# KiCad board leafony-ap03-stm32.kicad_pcb (continued)
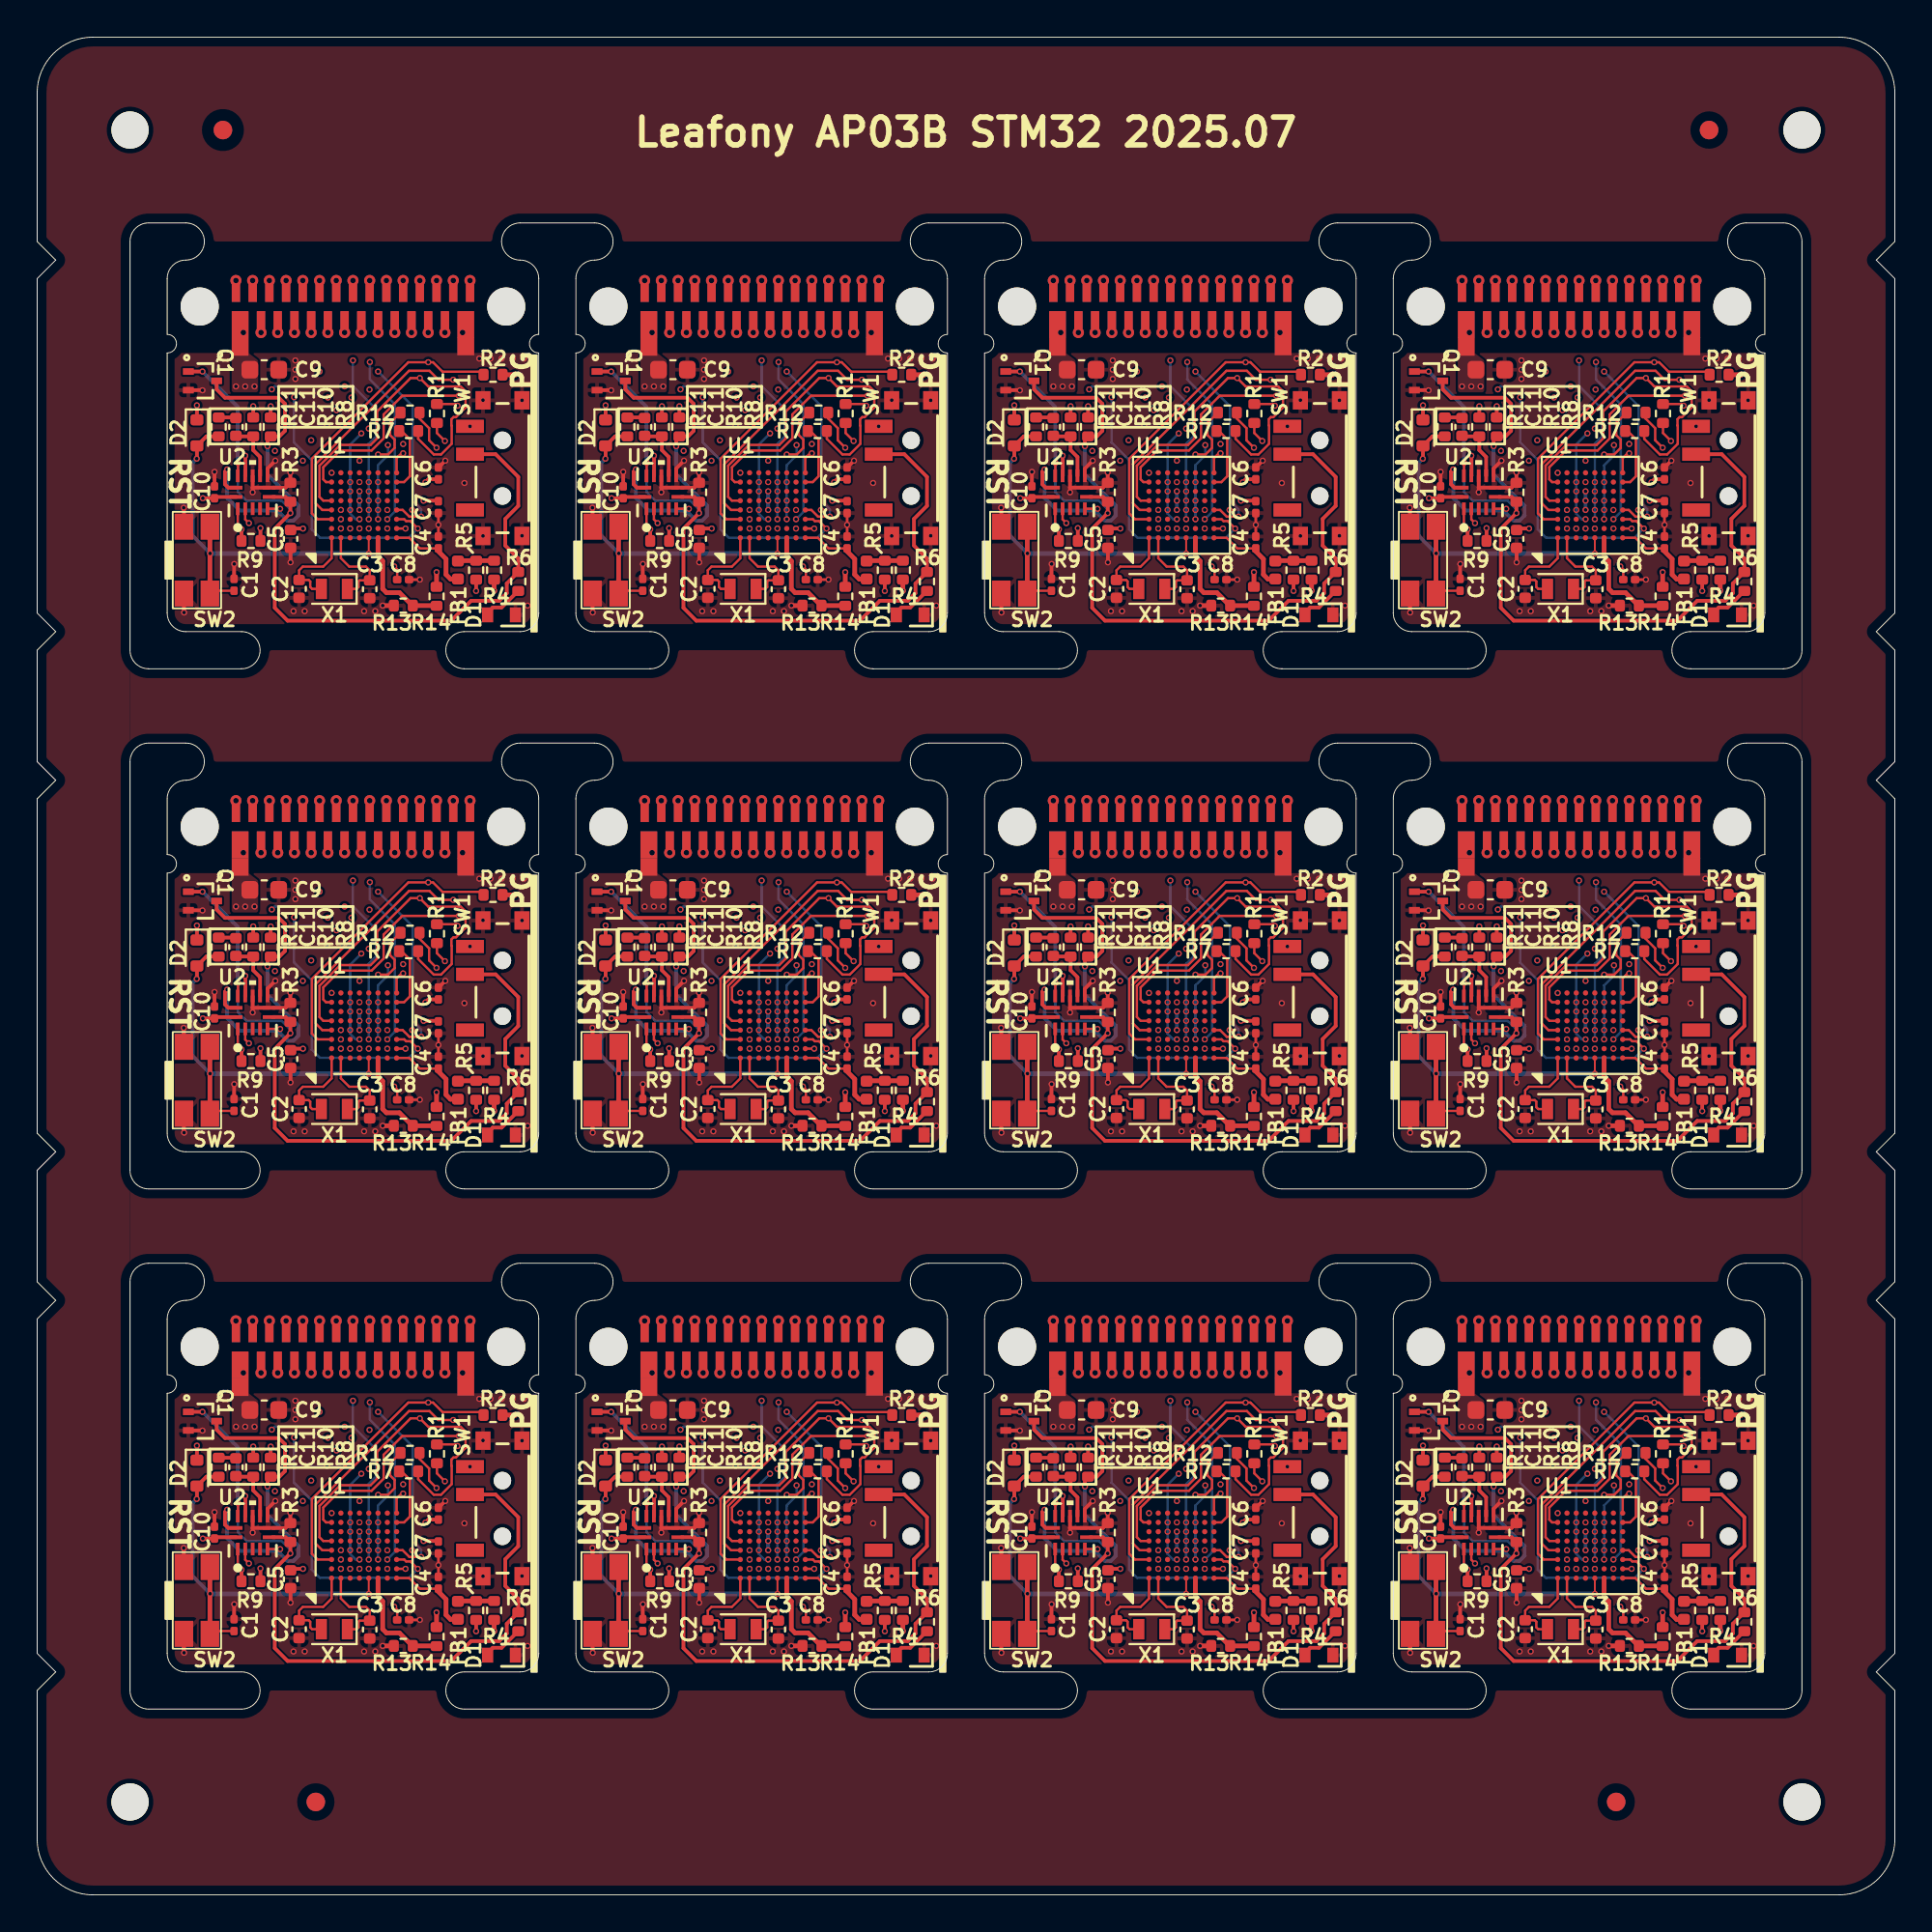
[diagram p0: board, top side]
## Placement (name value [footprint] x y rotation side) (continued)
CN1#9  Leafony Bus  [CN_F29_B29]  54.92 84.53 0 top
CN1#10  Leafony Bus  [CN_F29_B29]  76.93 56.53 0 top
CN1#11  Leafony Bus  [CN_F29_B29]  10.92 56.53 0 top
CN1#12  Leafony Bus  [CN_F29_B29]  32.92 56.53 0 top
D1  SML-A12U8TT86  [LED_SML-A12_ROM]  91 40.9 180 top
D1#2  SML-A12U8TT86  [LED_SML-A12_ROM]  69 40.9 180 top
D1#3  SML-A12U8TT86  [LED_SML-A12_ROM]  25 12.9 180 top
D1#4  SML-A12U8TT86  [LED_SML-A12_ROM]  91 12.9 180 top
D1#5  SML-A12U8TT86  [LED_SML-A12_ROM]  25 68.9 180 top
D1#6  SML-A12U8TT86  [LED_SML-A12_ROM]  47 40.9 180 top
D1#7  SML-A12U8TT86  [LED_SML-A12_ROM]  47 12.9 180 top
D1#8  SML-A12U8TT86  [LED_SML-A12_ROM]  47 68.9 180 top
D1#9  SML-A12U8TT86  [LED_SML-A12_ROM]  25 40.9 180 top
D1#10  SML-A12U8TT86  [LED_SML-A12_ROM]  91 68.9 180 top
D1#11  SML-A12U8TT86  [LED_SML-A12_ROM]  69 68.9 180 top
D1#12  SML-A12U8TT86  [LED_SML-A12_ROM]  69 12.9 180 top
D2  1SS387  [D_SOD-523]  30.6 78.7 270 top
D2#2  1SS387  [D_SOD-523]  8.6 78.7 270 top
D2#3  1SS387  [D_SOD-523]  30.6 50.7 270 top
D2#4  1SS387  [D_SOD-523]  74.6 50.7 270 top
D2#5  1SS387  [D_SOD-523]  74.6 78.7 270 top
D2#6  1SS387  [D_SOD-523]  52.6 22.7 270 top
D2#7  1SS387  [D_SOD-523]  8.6 22.7 270 top
D2#8  1SS387  [D_SOD-523]  30.6 22.7 270 top
D2#9  1SS387  [D_SOD-523]  8.6 50.7 270 top
D2#10  1SS387  [D_SOD-523]  74.6 22.7 270 top
D2#11  1SS387  [D_SOD-523]  52.6 50.7 270 top
D2#12  1SS387  [D_SOD-523]  52.6 78.7 270 top
FB1  MPZ1005S300CT000  [Fuse_0402_1005Metric]  22.65 15.31 90 top
FB1#2  MPZ1005S300CT000  [Fuse_0402_1005Metric]  66.65 43.31 90 top
FB1#3  MPZ1005S300CT000  [Fuse_0402_1005Metric]  22.65 43.31 90 top
FB1#4  MPZ1005S300CT000  [Fuse_0402_1005Metric]  44.65 71.31 90 top
FB1#5  MPZ1005S300CT000  [Fuse_0402_1005Metric]  66.65 71.31 90 top
FB1#6  MPZ1005S300CT000  [Fuse_0402_1005Metric]  88.65 15.31 90 top
FB1#7  MPZ1005S300CT000  [Fuse_0402_1005Metric]  88.65 71.31 90 top
FB1#8  MPZ1005S300CT000  [Fuse_0402_1005Metric]  66.65 15.31 90 top
FB1#9  MPZ1005S300CT000  [Fuse_0402_1005Metric]  22.65 71.31 90 top
FB1#10  MPZ1005S300CT000  [Fuse_0402_1005Metric]  88.65 43.31 90 top
FB1#11  MPZ1005S300CT000  [Fuse_0402_1005Metric]  44.65 43.31 90 top
FB1#12  MPZ1005S300CT000  [Fuse_0402_1005Metric]  44.65 15.31 90 top
G***  LOGO  [LEAFONY_LOGO]  83 81 180 bottom
G***#2  LOGO  [LEAFONY_LOGO]  39 81 180 bottom
G***#3  LOGO  [LEAFONY_LOGO]  39 25 180 bottom
G***#4  LOGO  [LEAFONY_LOGO]  61 53 180 bottom
G***#5  LOGO  [LEAFONY_LOGO]  17 53 180 bottom
G***#6  LOGO  [LEAFONY_LOGO]  61 25 180 bottom
G***#7  LOGO  [LEAFONY_LOGO]  39 53 180 bottom
G***#8  LOGO  [LEAFONY_LOGO]  83 25 180 bottom
G***#9  LOGO  [LEAFONY_LOGO]  83 53 180 bottom
G***#10  LOGO  [LEAFONY_LOGO]  17 81 180 bottom
G***#11  LOGO  [LEAFONY_LOGO]  61 81 180 bottom
G***#12  LOGO  [LEAFONY_LOGO]  17 25 180 bottom
Q1  RE1C002UNTCL  [DIO_RB558WMF_ROM]  52.9 53.5 270 top
Q1#2  RE1C002UNTCL  [DIO_RB558WMF_ROM]  52.9 81.5 270 top
Q1#3  RE1C002UNTCL  [DIO_RB558WMF_ROM]  8.9 25.5 270 top
Q1#4  RE1C002UNTCL  [DIO_RB558WMF_ROM]  8.9 81.5 270 top
Q1#5  RE1C002UNTCL  [DIO_RB558WMF_ROM]  52.9 25.5 270 top
Q1#6  RE1C002UNTCL  [DIO_RB558WMF_ROM]  74.9 81.5 270 top
Q1#7  RE1C002UNTCL  [DIO_RB558WMF_ROM]  30.9 25.5 270 top
Q1#8  RE1C002UNTCL  [DIO_RB558WMF_ROM]  8.9 53.5 270 top
Q1#9  RE1C002UNTCL  [DIO_RB558WMF_ROM]  30.9 81.5 270 top
Q1#10  RE1C002UNTCL  [DIO_RB558WMF_ROM]  30.9 53.5 270 top
Q1#11  RE1C002UNTCL  [DIO_RB558WMF_ROM]  74.9 25.5 270 top
Q1#12  RE1C002UNTCL  [DIO_RB558WMF_ROM]  74.9 53.5 270 top
R1  10k(J)  [R_0402_1005Metric]  65.52 23.74 270 top
R1#2  10k(J)  [R_0402_1005Metric]  43.52 79.74 270 top
R1#3  10k(J)  [R_0402_1005Metric]  87.52 23.74 270 top
R1#4  10k(J)  [R_0402_1005Metric]  21.52 79.74 270 top
R1#5  10k(J)  [R_0402_1005Metric]  43.52 23.74 270 top
R1#6  10k(J)  [R_0402_1005Metric]  87.52 79.74 270 top
R1#7  10k(J)  [R_0402_1005Metric]  65.52 79.74 270 top
R1#8  10k(J)  [R_0402_1005Metric]  43.52 51.74 270 top
R1#9  10k(J)  [R_0402_1005Metric]  87.52 51.74 270 top
R1#10  10k(J)  [R_0402_1005Metric]  65.52 51.74 270 top
R1#11  10k(J)  [R_0402_1005Metric]  21.52 23.74 270 top
R1#12  10k(J)  [R_0402_1005Metric]  21.52 51.74 270 top
R2  10k(J)  [R_0402_1005Metric]  24.54 81.83 180 top
R2#2  10k(J)  [R_0402_1005Metric]  46.54 53.83 180 top
R2#3  10k(J)  [R_0402_1005Metric]  90.54 25.83 180 top
R2#4  10k(J)  [R_0402_1005Metric]  24.54 25.83 180 top
R2#5  10k(J)  [R_0402_1005Metric]  24.54 53.83 180 top
R2#6  10k(J)  [R_0402_1005Metric]  46.54 81.83 180 top
R2#7  10k(J)  [R_0402_1005Metric]  46.54 25.83 180 top
R2#8  10k(J)  [R_0402_1005Metric]  68.54 53.83 180 top
R2#9  10k(J)  [R_0402_1005Metric]  90.54 81.83 180 top
R2#10  10k(J)  [R_0402_1005Metric]  90.54 53.83 180 top
R2#11  10k(J)  [R_0402_1005Metric]  68.54 25.83 180 top
R2#12  10k(J)  [R_0402_1005Metric]  68.54 81.83 180 top
R3  10k(J)  [R_0402_1005Metric]  57.63 75.5 90 top
R3#2  10k(J)  [R_0402_1005Metric]  79.63 75.5 90 top
R3#3  10k(J)  [R_0402_1005Metric]  13.63 47.5 90 top
R3#4  10k(J)  [R_0402_1005Metric]  13.63 75.5 90 top
R3#5  10k(J)  [R_0402_1005Metric]  57.63 47.5 90 top
R3#6  10k(J)  [R_0402_1005Metric]  35.63 47.5 90 top
R3#7  10k(J)  [R_0402_1005Metric]  35.63 19.5 90 top
R3#8  10k(J)  [R_0402_1005Metric]  57.63 19.5 90 top
R3#9  10k(J)  [R_0402_1005Metric]  35.63 75.5 90 top
R3#10  10k(J)  [R_0402_1005Metric]  13.63 19.5 90 top
R3#11  10k(J)  [R_0402_1005Metric]  79.63 47.5 90 top
R3#12  10k(J)  [R_0402_1005Metric]  79.63 19.5 90 top
R4  0R  [R_0402_1005Metric]  24.6 71.31 270 top
R4#2  0R  [R_0402_1005Metric]  24.6 15.31 270 top
R4#3  0R  [R_0402_1005Metric]  90.6 71.31 270 top
R4#4  0R  [R_0402_1005Metric]  46.6 71.31 270 top
R4#5  0R  [R_0402_1005Metric]  68.6 43.31 270 top
R4#6  0R  [R_0402_1005Metric]  46.6 43.31 270 top
R4#7  0R  [R_0402_1005Metric]  68.6 15.31 270 top
R4#8  0R  [R_0402_1005Metric]  90.6 15.31 270 top
R4#9  0R  [R_0402_1005Metric]  90.6 43.31 270 top
R4#10  0R  [R_0402_1005Metric]  68.6 71.31 270 top
R4#11  0R  [R_0402_1005Metric]  24.6 43.31 270 top
R4#12  0R  [R_0402_1005Metric]  46.6 15.31 270 top
R5  0R  [R_0402_1005Metric]  67.63 71.31 270 top  (not fitted)
R5#2  0R  [R_0402_1005Metric]  23.63 43.31 270 top  (not fitted)
R5#3  0R  [R_0402_1005Metric]  23.63 71.31 270 top  (not fitted)
R5#4  0R  [R_0402_1005Metric]  45.63 43.31 270 top  (not fitted)
R5#5  0R  [R_0402_1005Metric]  89.63 15.31 270 top  (not fitted)
R5#6  0R  [R_0402_1005Metric]  67.63 15.31 270 top  (not fitted)
R5#7  0R  [R_0402_1005Metric]  89.63 71.31 270 top  (not fitted)
R5#8  0R  [R_0402_1005Metric]  89.63 43.31 270 top  (not fitted)
R5#9  0R  [R_0402_1005Metric]  67.63 43.31 270 top  (not fitted)
R5#10  0R  [R_0402_1005Metric]  45.63 15.31 270 top  (not fitted)
R5#11  0R  [R_0402_1005Metric]  23.63 15.31 270 top  (not fitted)
R5#12  0R  [R_0402_1005Metric]  45.63 71.31 270 top  (not fitted)
R6  1k(J)  [R_0402_1005Metric]  69.9 42.7 270 top
R6#2  1k(J)  [R_0402_1005Metric]  47.9 14.7 270 top
R6#3  1k(J)  [R_0402_1005Metric]  47.9 42.7 270 top
R6#4  1k(J)  [R_0402_1005Metric]  25.9 42.7 270 top
R6#5  1k(J)  [R_0402_1005Metric]  47.9 70.7 270 top
R6#6  1k(J)  [R_0402_1005Metric]  91.9 42.7 270 top
R6#7  1k(J)  [R_0402_1005Metric]  25.9 14.7 270 top
R6#8  1k(J)  [R_0402_1005Metric]  69.9 70.7 270 top
R6#9  1k(J)  [R_0402_1005Metric]  69.9 14.7 270 top
R6#10  1k(J)  [R_0402_1005Metric]  91.9 70.7 270 top
R6#11  1k(J)  [R_0402_1005Metric]  25.9 70.7 270 top
R6#12  1k(J)  [R_0402_1005Metric]  91.9 14.7 270 top
R7  0R  [R_0402_1005Metric]  64 22.8 0 top  (not fitted)
R7#2  0R  [R_0402_1005Metric]  64 50.8 0 top  (not fitted)
R7#3  0R  [R_0402_1005Metric]  42 78.8 0 top  (not fitted)
R7#4  0R  [R_0402_1005Metric]  20 22.8 0 top  (not fitted)
R7#5  0R  [R_0402_1005Metric]  42 22.8 0 top  (not fitted)
R7#6  0R  [R_0402_1005Metric]  42 50.8 0 top  (not fitted)
R7#7  0R  [R_0402_1005Metric]  86 50.8 0 top  (not fitted)
R7#8  0R  [R_0402_1005Metric]  20 50.8 0 top  (not fitted)
R7#9  0R  [R_0402_1005Metric]  86 78.8 0 top  (not fitted)
R7#10  0R  [R_0402_1005Metric]  20 78.8 0 top  (not fitted)
R7#11  0R  [R_0402_1005Metric]  86 22.8 0 top  (not fitted)
R7#12  0R  [R_0402_1005Metric]  64 78.8 0 top  (not fitted)
R8  10k(J)  [R_0402_1005Metric]  34.57 51.02 270 top
R8#2  10k(J)  [R_0402_1005Metric]  12.57 79.02 270 top
R8#3  10k(J)  [R_0402_1005Metric]  78.57 79.02 270 top
R8#4  10k(J)  [R_0402_1005Metric]  78.57 51.02 270 top
R8#5  10k(J)  [R_0402_1005Metric]  12.57 51.02 270 top
R8#6  10k(J)  [R_0402_1005Metric]  34.57 23.02 270 top
R8#7  10k(J)  [R_0402_1005Metric]  78.57 23.02 270 top
R8#8  10k(J)  [R_0402_1005Metric]  56.57 51.02 270 top
R8#9  10k(J)  [R_0402_1005Metric]  56.57 23.02 270 top
R8#10  10k(J)  [R_0402_1005Metric]  34.57 79.02 270 top
R8#11  10k(J)  [R_0402_1005Metric]  56.57 79.02 270 top
R8#12  10k(J)  [R_0402_1005Metric]  12.57 23.02 270 top
R9  100R(J)  [R_0402_1005Metric]  33.51 44.88 0 top
R9#2  100R(J)  [R_0402_1005Metric]  55.51 44.88 0 top
R9#3  100R(J)  [R_0402_1005Metric]  77.51 72.88 0 top
R9#4  100R(J)  [R_0402_1005Metric]  77.51 44.88 0 top
R9#5  100R(J)  [R_0402_1005Metric]  55.51 72.88 0 top
R9#6  100R(J)  [R_0402_1005Metric]  77.51 16.88 0 top
R9#7  100R(J)  [R_0402_1005Metric]  11.51 72.88 0 top
R9#8  100R(J)  [R_0402_1005Metric]  55.51 16.88 0 top
R9#9  100R(J)  [R_0402_1005Metric]  11.51 44.88 0 top
R9#10  100R(J)  [R_0402_1005Metric]  33.51 72.88 0 top
R9#11  100R(J)  [R_0402_1005Metric]  11.51 16.88 0 top
R9#12  100R(J)  [R_0402_1005Metric]  33.51 16.88 0 top
R10  100k(J)  [R_0402_1005Metric]  11.63 51.02 270 top
R10#2  100k(J)  [R_0402_1005Metric]  77.63 51.02 270 top
R10#3  100k(J)  [R_0402_1005Metric]  33.63 79.02 270 top
R10#4  100k(J)  [R_0402_1005Metric]  77.63 79.02 270 top
R10#5  100k(J)  [R_0402_1005Metric]  33.63 51.02 270 top
R10#6  100k(J)  [R_0402_1005Metric]  11.63 79.02 270 top
R10#7  100k(J)  [R_0402_1005Metric]  55.63 79.02 270 top
R10#8  100k(J)  [R_0402_1005Metric]  77.63 23.02 270 top
R10#9  100k(J)  [R_0402_1005Metric]  55.63 23.02 270 top
R10#10  100k(J)  [R_0402_1005Metric]  55.63 51.02 270 top
R10#11  100k(J)  [R_0402_1005Metric]  33.63 23.02 270 top
R10#12  100k(J)  [R_0402_1005Metric]  11.63 23.02 270 top
R11  0R  [R_0402_1005Metric]  53.77 23.02 270 top
R11#2  0R  [R_0402_1005Metric]  9.77 51.02 270 top
R11#3  0R  [R_0402_1005Metric]  53.77 79.02 270 top
R11#4  0R  [R_0402_1005Metric]  53.77 51.02 270 top
R11#5  0R  [R_0402_1005Metric]  9.77 23.02 270 top
R11#6  0R  [R_0402_1005Metric]  31.77 23.02 270 top
R11#7  0R  [R_0402_1005Metric]  31.77 79.02 270 top
R11#8  0R  [R_0402_1005Metric]  31.77 51.02 270 top
R11#9  0R  [R_0402_1005Metric]  75.77 23.02 270 top
R11#10  0R  [R_0402_1005Metric]  75.77 79.02 270 top
R11#11  0R  [R_0402_1005Metric]  9.77 79.02 270 top
R11#12  0R  [R_0402_1005Metric]  75.77 51.02 270 top
R12  0R  [R_0402_1005Metric]  64.07 51.79 0 top  (not fitted)
R12#2  0R  [R_0402_1005Metric]  42.07 79.79 0 top  (not fitted)
R12#3  0R  [R_0402_1005Metric]  64.07 79.79 0 top  (not fitted)
R12#4  0R  [R_0402_1005Metric]  86.07 51.79 0 top  (not fitted)
R12#5  0R  [R_0402_1005Metric]  42.07 23.79 0 top  (not fitted)
R12#6  0R  [R_0402_1005Metric]  42.07 51.79 0 top  (not fitted)
R12#7  0R  [R_0402_1005Metric]  86.07 23.79 0 top  (not fitted)
R12#8  0R  [R_0402_1005Metric]  64.07 23.79 0 top  (not fitted)
R12#9  0R  [R_0402_1005Metric]  20.07 79.79 0 top  (not fitted)
R12#10  0R  [R_0402_1005Metric]  20.07 51.79 0 top  (not fitted)
R12#11  0R  [R_0402_1005Metric]  20.07 23.79 0 top  (not fitted)
R12#12  0R  [R_0402_1005Metric]  86.07 79.79 0 top  (not fitted)
R13  0R  [R_0402_1005Metric]  19.71 13.4 0 top
R13#2  0R  [R_0402_1005Metric]  19.71 69.4 0 top
R13#3  0R  [R_0402_1005Metric]  41.71 13.4 0 top
R13#4  0R  [R_0402_1005Metric]  85.71 69.4 0 top
R13#5  0R  [R_0402_1005Metric]  63.71 13.4 0 top
R13#6  0R  [R_0402_1005Metric]  19.71 41.4 0 top
R13#7  0R  [R_0402_1005Metric]  85.71 13.4 0 top
R13#8  0R  [R_0402_1005Metric]  85.71 41.4 0 top
R13#9  0R  [R_0402_1005Metric]  63.71 69.4 0 top
R13#10  0R  [R_0402_1005Metric]  41.71 41.4 0 top
R13#11  0R  [R_0402_1005Metric]  63.71 41.4 0 top
R13#12  0R  [R_0402_1005Metric]  41.71 69.4 0 top
R14  0R  [R_0402_1005Metric]  87.5 69.9 90 top  (not fitted)
R14#2  0R  [R_0402_1005Metric]  65.5 69.9 90 top  (not fitted)
R14#3  0R  [R_0402_1005Metric]  43.5 69.9 90 top  (not fitted)
R14#4  0R  [R_0402_1005Metric]  43.5 13.9 90 top  (not fitted)
R14#5  0R  [R_0402_1005Metric]  65.5 41.9 90 top  (not fitted)
R14#6  0R  [R_0402_1005Metric]  87.5 13.9 90 top  (not fitted)
R14#7  0R  [R_0402_1005Metric]  43.5 41.9 90 top  (not fitted)
R14#8  0R  [R_0402_1005Metric]  87.5 41.9 90 top  (not fitted)
R14#9  0R  [R_0402_1005Metric]  65.5 13.9 90 top  (not fitted)
R14#10  0R  [R_0402_1005Metric]  21.5 69.9 90 top  (not fitted)
R14#11  0R  [R_0402_1005Metric]  21.5 41.9 90 top  (not fitted)
R14#12  0R  [R_0402_1005Metric]  21.5 13.9 90 top  (not fitted)
REF**  -  [Fiducial_1mm_Mask2mm]  85 5 180 top
REF**#2  -  [MountingHole_2mm]  95 95 180 top
REF**#3  -  [MountingHole_2mm]  5 95 0 top
REF**#4  -  [Fiducial_1mm_Mask2mm]  15 5 0 top
REF**#5  -  [Fiducial_1mm_Mask2mm]  90 95 180 top
REF**#6  -  [MountingHole_2mm]  95 5 180 top
REF**#7  -  [Fiducial_1mm_Mask2mm]  10 95 0 top
REF**#8  -  [Fiducial_0.75mm_Mask2.25mm]  10 95 0 top
REF**#9  -  [MountingHole_2mm]  5 5 0 top
REF**#10  -  [Fiducial_1mm_Mask2mm]  10 95 180 bottom
REF**#11  -  [Fiducial_0.75mm_Mask2.25mm]  10 95 180 bottom
REF**#12  -  [Fiducial_1mm_Mask2mm]  15 5 180 bottom
REF**#13  -  [Fiducial_1mm_Mask2mm]  90 95 0 bottom
REF**#14  -  [Fiducial_1mm_Mask2mm]  85 5 0 bottom
SW1  CUS-12TB  [CUS-12TB_NDC]  69.05 48.8 90 top
SW1#2  CUS-12TB  [CUS-12TB_NDC]  91.05 76.8 90 top
SW1#3  CUS-12TB  [CUS-12TB_NDC]  69.05 76.8 90 top
SW1#4  CUS-12TB  [CUS-12TB_NDC]  25.05 76.8 90 top
SW1#5  CUS-12TB  [CUS-12TB_NDC]  91.05 20.8 90 top
SW1#6  CUS-12TB  [CUS-12TB_NDC]  25.05 20.8 90 top
SW1#7  CUS-12TB  [CUS-12TB_NDC]  47.05 76.8 90 top
SW1#8  CUS-12TB  [CUS-12TB_NDC]  47.05 48.8 90 top
SW1#9  CUS-12TB  [CUS-12TB_NDC]  47.05 20.8 90 top
SW1#10  CUS-12TB  [CUS-12TB_NDC]  25.05 48.8 90 top
SW1#11  CUS-12TB  [CUS-12TB_NDC]  69.05 20.8 90 top
SW1#12  CUS-12TB  [CUS-12TB_NDC]  91.05 48.8 90 top
SW2  -  [EVQ-P7B01P]  31.8 74.35 270 top
SW2#2  -  [EVQ-P7B01P]  31.8 46.35 270 top
SW2#3  -  [EVQ-P7B01P]  75.8 74.35 270 top
SW2#4  -  [EVQ-P7B01P]  75.8 18.35 270 top
SW2#5  -  [EVQ-P7B01P]  53.8 46.35 270 top
SW2#6  -  [EVQ-P7B01P]  53.8 18.35 270 top
SW2#7  -  [EVQ-P7B01P]  9.8 18.35 270 top
SW2#8  -  [EVQ-P7B01P]  53.8 74.35 270 top
SW2#9  -  [EVQ-P7B01P]  75.8 46.35 270 top
SW2#10  -  [EVQ-P7B01P]  9.8 74.35 270 top
SW2#11  -  [EVQ-P7B01P]  9.8 46.35 270 top
SW2#12  -  [EVQ-P7B01P]  31.8 18.35 270 top
U1  STM32L452REI6  [UFBGA-64_5x5mm_Layout8x8_P0.5mm]  39.6 18.8 90 top
U1#2  STM32L452REI6  [UFBGA-64_5x5mm_Layout8x8_P0.5mm]  83.6 46.8 90 top
U1#3  STM32L452REI6  [UFBGA-64_5x5mm_Layout8x8_P0.5mm]  61.6 18.8 90 top
U1#4  STM32L452REI6  [UFBGA-64_5x5mm_Layout8x8_P0.5mm]  39.6 74.8 90 top
U1#5  STM32L452REI6  [UFBGA-64_5x5mm_Layout8x8_P0.5mm]  61.6 74.8 90 top
U1#6  STM32L452REI6  [UFBGA-64_5x5mm_Layout8x8_P0.5mm]  61.6 46.8 90 top
U1#7  STM32L452REI6  [UFBGA-64_5x5mm_Layout8x8_P0.5mm]  17.6 74.8 90 top
U1#8  STM32L452REI6  [UFBGA-64_5x5mm_Layout8x8_P0.5mm]  17.6 46.8 90 top
U1#9  STM32L452REI6  [UFBGA-64_5x5mm_Layout8x8_P0.5mm]  39.6 46.8 90 top
U1#10  STM32L452REI6  [UFBGA-64_5x5mm_Layout8x8_P0.5mm]  83.6 18.8 90 top
U1#11  STM32L452REI6  [UFBGA-64_5x5mm_Layout8x8_P0.5mm]  17.6 18.8 90 top
U1#12  STM32L452REI6  [UFBGA-64_5x5mm_Layout8x8_P0.5mm]  83.6 74.8 90 top
U2  TS3A4751RUCR  [RUC14]  55.6 19.5 90 top
U2#2  TS3A4751RUCR  [RUC14]  77.6 47.5 90 top
U2#3  TS3A4751RUCR  [RUC14]  33.6 75.5 90 top
U2#4  TS3A4751RUCR  [RUC14]  55.6 75.5 90 top
U2#5  TS3A4751RUCR  [RUC14]  55.6 47.5 90 top
U2#6  TS3A4751RUCR  [RUC14]  33.6 47.5 90 top
U2#7  TS3A4751RUCR  [RUC14]  33.6 19.5 90 top
U2#8  TS3A4751RUCR  [RUC14]  77.6 19.5 90 top
U2#9  TS3A4751RUCR  [RUC14]  11.6 19.5 90 top
U2#10  TS3A4751RUCR  [RUC14]  77.6 75.5 90 top
U2#11  TS3A4751RUCR  [RUC14]  11.6 75.5 90 top
U2#12  TS3A4751RUCR  [RUC14]  11.6 47.5 90 top
X1  NX2012SA-32.768KHZ-EXS00A-MU00530  [Crystal_SMD_2012-2Pin_2.0x1.2mm]  38 14.3 180 top
X1#2  NX2012SA-32.768KHZ-EXS00A-MU00530  [Crystal_SMD_2012-2Pin_2.0x1.2mm]  82 14.3 180 top
X1#3  NX2012SA-32.768KHZ-EXS00A-MU00530  [Crystal_SMD_2012-2Pin_2.0x1.2mm]  38 70.3 180 top
X1#4  NX2012SA-32.768KHZ-EXS00A-MU00530  [Crystal_SMD_2012-2Pin_2.0x1.2mm]  82 70.3 180 top
X1#5  NX2012SA-32.768KHZ-EXS00A-MU00530  [Crystal_SMD_2012-2Pin_2.0x1.2mm]  60 42.3 180 top
X1#6  NX2012SA-32.768KHZ-EXS00A-MU00530  [Crystal_SMD_2012-2Pin_2.0x1.2mm]  60 14.3 180 top
X1#7  NX2012SA-32.768KHZ-EXS00A-MU00530  [Crystal_SMD_2012-2Pin_2.0x1.2mm]  82 42.3 180 top
X1#8  NX2012SA-32.768KHZ-EXS00A-MU00530  [Crystal_SMD_2012-2Pin_2.0x1.2mm]  60 70.3 180 top
X1#9  NX2012SA-32.768KHZ-EXS00A-MU00530  [Crystal_SMD_2012-2Pin_2.0x1.2mm]  16 42.3 180 top
X1#10  NX2012SA-32.768KHZ-EXS00A-MU00530  [Crystal_SMD_2012-2Pin_2.0x1.2mm]  38 42.3 180 top
X1#11  NX2012SA-32.768KHZ-EXS00A-MU00530  [Crystal_SMD_2012-2Pin_2.0x1.2mm]  16 70.3 180 top
X1#12  NX2012SA-32.768KHZ-EXS00A-MU00530  [Crystal_SMD_2012-2Pin_2.0x1.2mm]  16 14.3 180 top

## Library data of the parts
C1 C1#2-C1#12 C2 C2#2-C2#12 C3 C3#2-C3#12 C4 C4#2-C4#12 C5 C5#2-C5#12 C6 C6#2-C6#12 C7 C7#2-C7#12 C8 C8#2-C8#12 C9 C9#2-C9#12 C10 C10#2-C10#12 C11 C11#2-C11#12 = -: Description: Unpolarized capacitor
D1 D1#2-D1#12 = -: Datasheet: https://www.rohm.co.jp/datasheet?p=SML-A12U8T&dist=Digi-key&media=referral&source=digi-key.com&campaign=Digi-key; Description: Light emitting diode
D2 D2#2-D2#12 = -: Datasheet: https://mm.digikey.com/Volume0/opasdata/d220001/medias/docus/403/1SS387.pdf; Description: DIODE GEN PURP 80V 100MA ESC; Sim.Device: D; Sim.Pins: 1=K 2=A
FB1 FB1#2-FB1#12 = -: Datasheet: https://product.tdk.com/info/ja/catalog/datasheets/beads_commercial_power_mpz1005_ja.pdf?ref_disty=digikey; Description: FERRITE BEAD 30 OHM 0402 1LN
Q1 Q1#2-Q1#12 = -: Datasheet: https://www.rohm.co.jp/datasheet?p=RE1C002UN&dist=Digi-key&media=referral&source=digi-key.com&campaign=Digi-key; Description: MOSFET N-CH 20V 200MA EMT3F
R1 R1#2-R1#12 R2 R2#2-R2#12 R3 R3#2-R3#12 R4 R4#2-R4#12 R5 R5#2-R5#12 R6 R6#2-R6#12 R7 R7#2-R7#12 R8 R8#2-R8#12 R9 R9#2-R9#12 R10 R10#2-R10#12 R11 R11#2-R11#12 R12 R12#2-R12#12 R13 R13#2-R13#12 R14 R14#2-R14#12 = -: Description: Resistor
SW1 SW1#2-SW1#12 = -: Datasheet: https://www.nidec-copal-electronics.com/e/catalog/switch/cus.pdf
SW2 SW2#2-SW2#12 = -: Datasheet: https://api.pim.na.industrial.panasonic.com/file_stream/main/fileversion/245500; Description: SWITCH TACTILE SPST-NO 0.05A 12V
U1 U1#2-U1#12 = -: Datasheet: https://www.st.com/resource/en/datasheet/stm32l452re.pdf; Description: STMicroelectronics Arm Cortex-M4 MCU, 512KB flash, 160KB RAM, 80 MHz, 1.71-3.6V, 52 GPIO, UFBGA64
U2 U2#2-U2#12 = -: Datasheet: https://www.ti.com/general/docs/suppproductinfo.tsp?distId=10&gotoUrl=https%3A%2F%2Fwww.ti.com%2Flit%2Fgpn%2Fts3a4751; Description: IC SW SPST-NOX4 900MOHM 14QFN
X1 X1#2-X1#12 = -: Datasheet: https://www.digikey.jp/ja/models/9172010; Description: CRYSTAL 32.7680KHZ 7PF SMD

## Footprints (pads in the part's own frame, mm; a bottom-side part is the same pattern mirrored in y, then rotated)
C_0201_0603Metric
  rrect 0.318x0.36 smd: (-0.345,0) (0.345,0)
  rrect 0.46x0.4 smd: 1(-0.32,0) 2(0.32,0)
C_0402_1005Metric
  rrect 0.56x0.62 smd: 1(-0.48,0) 2(0.48,0)
C_0603_1608Metric
  rrect 0.9x0.95 smd: 1(-0.775,0) 2(0.775,0)
CN_F29_B29
  round 2.05 hole 2.05 unplated: (-2.175,0.975) (14.325,0.975)
  rect 0.9x1.45 smd far side: B1(0,0) B27(12.15,0)
  custom 0.6x1.45 smd far side: B2(-0.225,1.8) B3(1.125,0.15) B4(0.675,1.8) B5(2.025,0.15) B6(1.575,1.8) B7(2.925,0.15) B8(2.475,1.8) B9(3.825,0.15) B10(3.375,1.8) B11(4.725,0.15) B12(4.275,1.8) B13(5.625,0.15) B14(5.175,1.8) B15(6.525,0.15) B16(6.075,1.8) B17(7.425,0.15) B18(6.975,1.8) B19(8.325,0.15) B20(7.875,1.8) B21(9.225,0.15) B22(8.775,1.8) B23(10.125,0.15) B24(9.675,1.8) B25(11.025,0.15) B26(10.575,1.8) B28(11.475,1.8) B29(12.375,1.8)
  rect 0.9x1.45 smd: F1(0,0) F27(12.15,0)
  custom 0.6x1.45 smd: F2(-0.225,1.8) F3(1.125,0.15) F4(0.675,1.8) F5(2.025,0.15) F6(1.575,1.8) F7(2.925,0.15) F8(2.475,1.8) F9(3.825,0.15) F10(3.375,1.8) F11(4.725,0.15) F12(4.275,1.8) F13(5.625,0.15) F14(5.175,1.8) F15(6.525,0.15) F16(6.075,1.8) F17(7.425,0.15) F18(6.975,1.8) F19(8.325,0.15) F20(7.875,1.8) F21(9.225,0.15) F22(8.775,1.8) F23(10.125,0.15) F24(9.675,1.8) F25(11.025,0.15) F26(10.575,1.8) F28(11.475,1.8) F29(12.375,1.8)
Crystal_SMD_2012-2Pin_2.0x1.2mm
  rect 0.6x1.1 smd: 1(-0.7,0) 2(0.7,0)
CUS-12TB_NDC
  round 0.94 hole 0.94 unplated: (-1.5,0) (1.5,0)
  rect 0.711x1.499 smd: 1(-2.25,1.745) 2(0.75,1.745) 3(2.25,1.745)
  rect 0.991x0.813 smd: SH(-3.65,1.045) SH(-3.65,-1.055) SH(3.65,-1.055) SH(3.65,1.045)
D_SOD-523
  rrect 0.6x0.7 smd: 1(-0.7,0) 2(0.7,0)
DIO_RB558WMF_ROM
  rect 0.356x0.584 smd: 1(-0.5,-0.762) 2(0.5,-0.762) 3(0,0.762)
EVQ-P7B01P
  rect 1.4x1 smd: 1(0.7,-0.5) 2(0.7,-1.9) 3(4.3,-1.9) 4(4.3,-0.5)
Fiducial_0.75mm_Mask2.25mm
  round 0.75 smd: (0,0)
Fiducial_1mm_Mask2mm
  round 1 smd: (0,0)
Fuse_0402_1005Metric
  rrect 0.59x0.64 smd: 1(-0.485,0) 2(0.485,0)
LED_SML-A12_ROM
  rect 0.6x0.8 smd: 1(-0.75,0) 2(0.75,0)
MountingHole_2mm
  round 2 hole 2 unplated: (0,0)